# Altium PCB V1I1.PcbDoc (part 1 of 2)
Units mm, origin at the board's own origin, x right, y up, seen from the top; angles counter-clockwise.
Board outline 70 x 150 mm, 4 copper layers (Top Layer, GND, Power, Bottom Layer), stack 1.743 mm thick; 161 components, 106 nets, 602 pads, 656 vias.
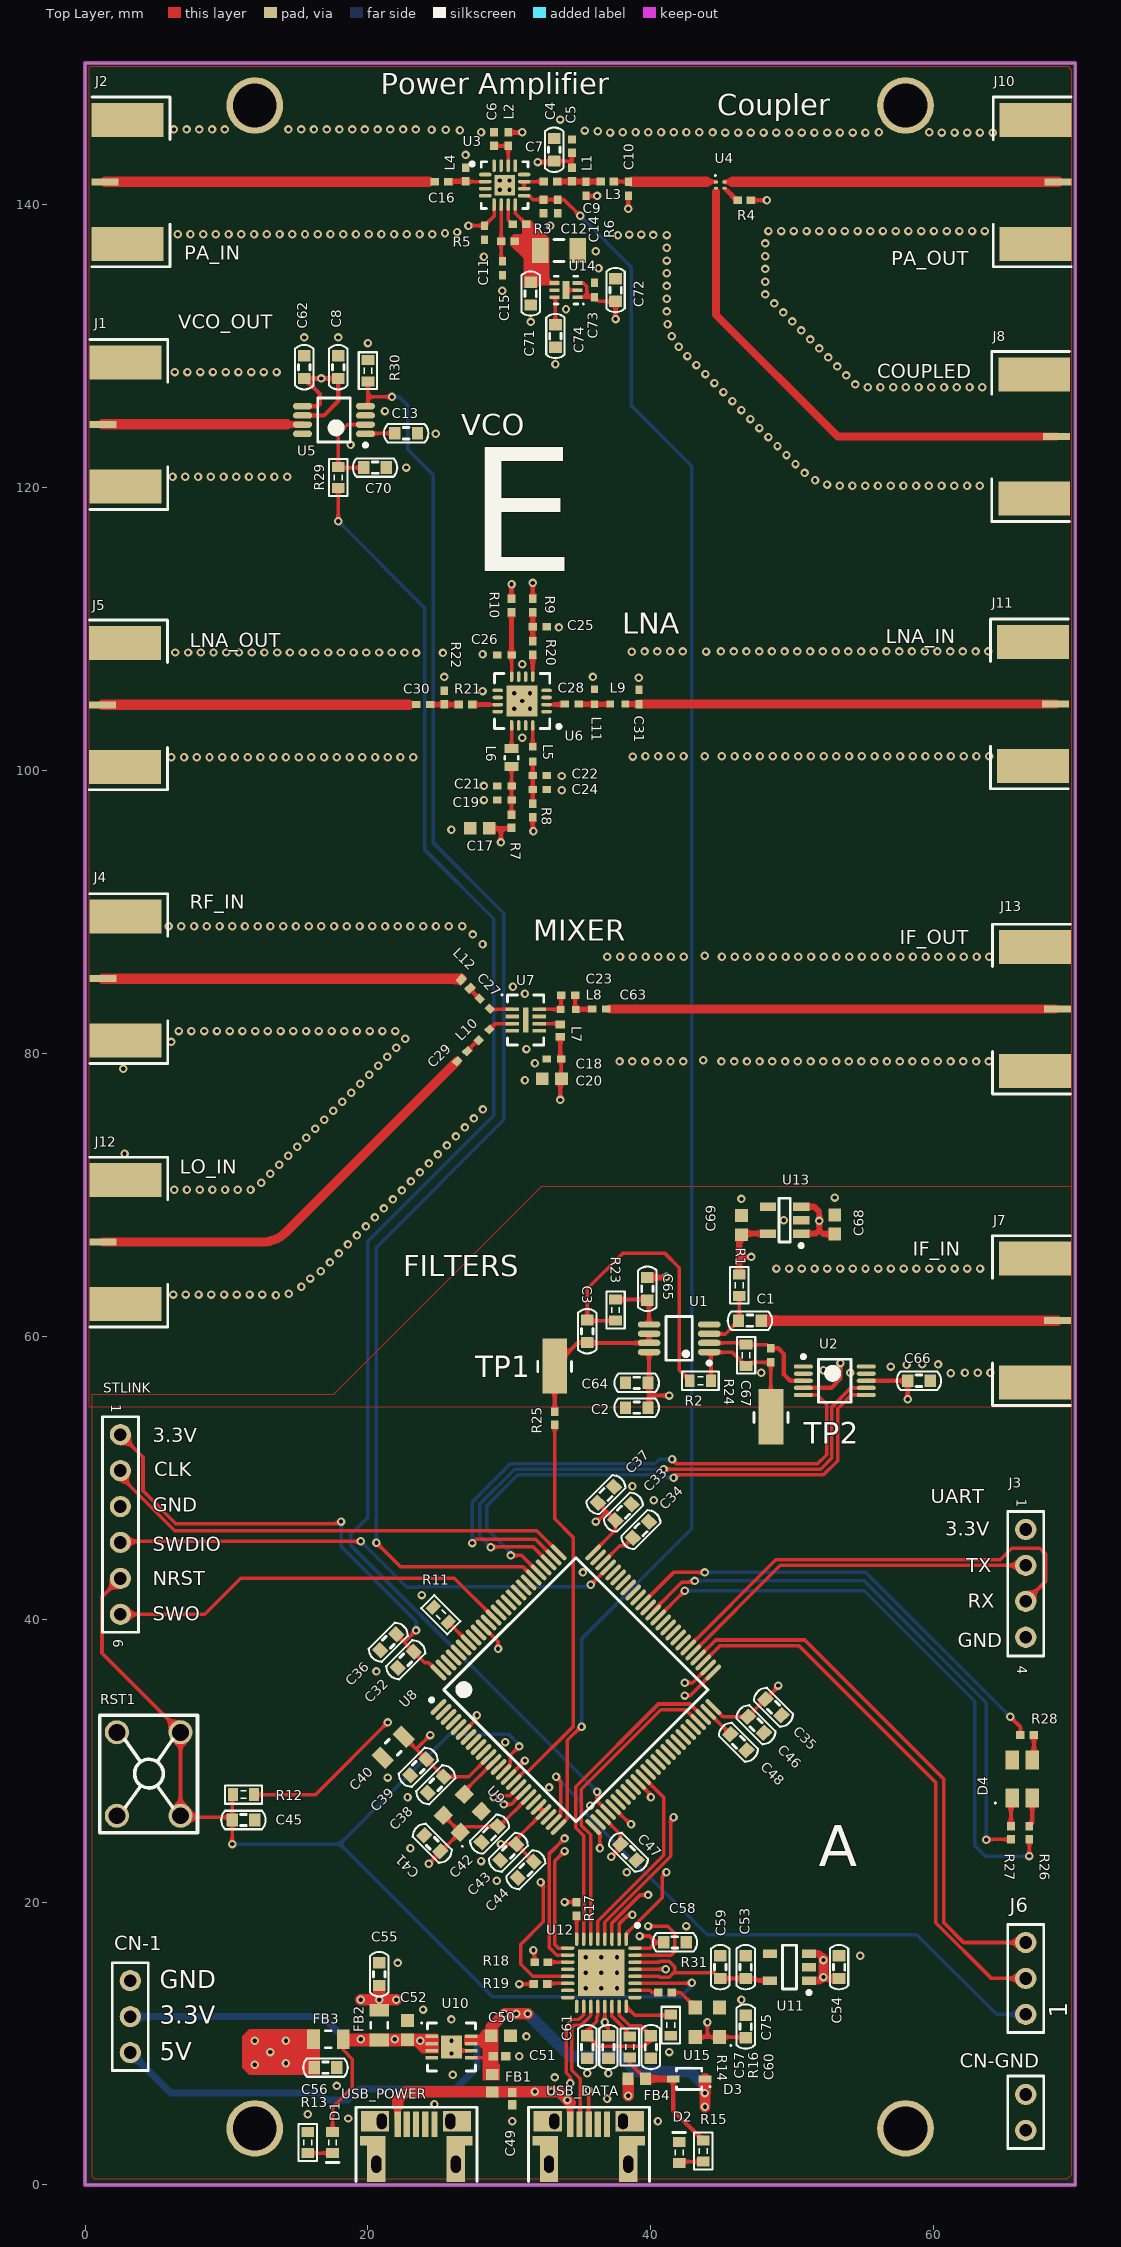
[diagram p0: Top Layer view]
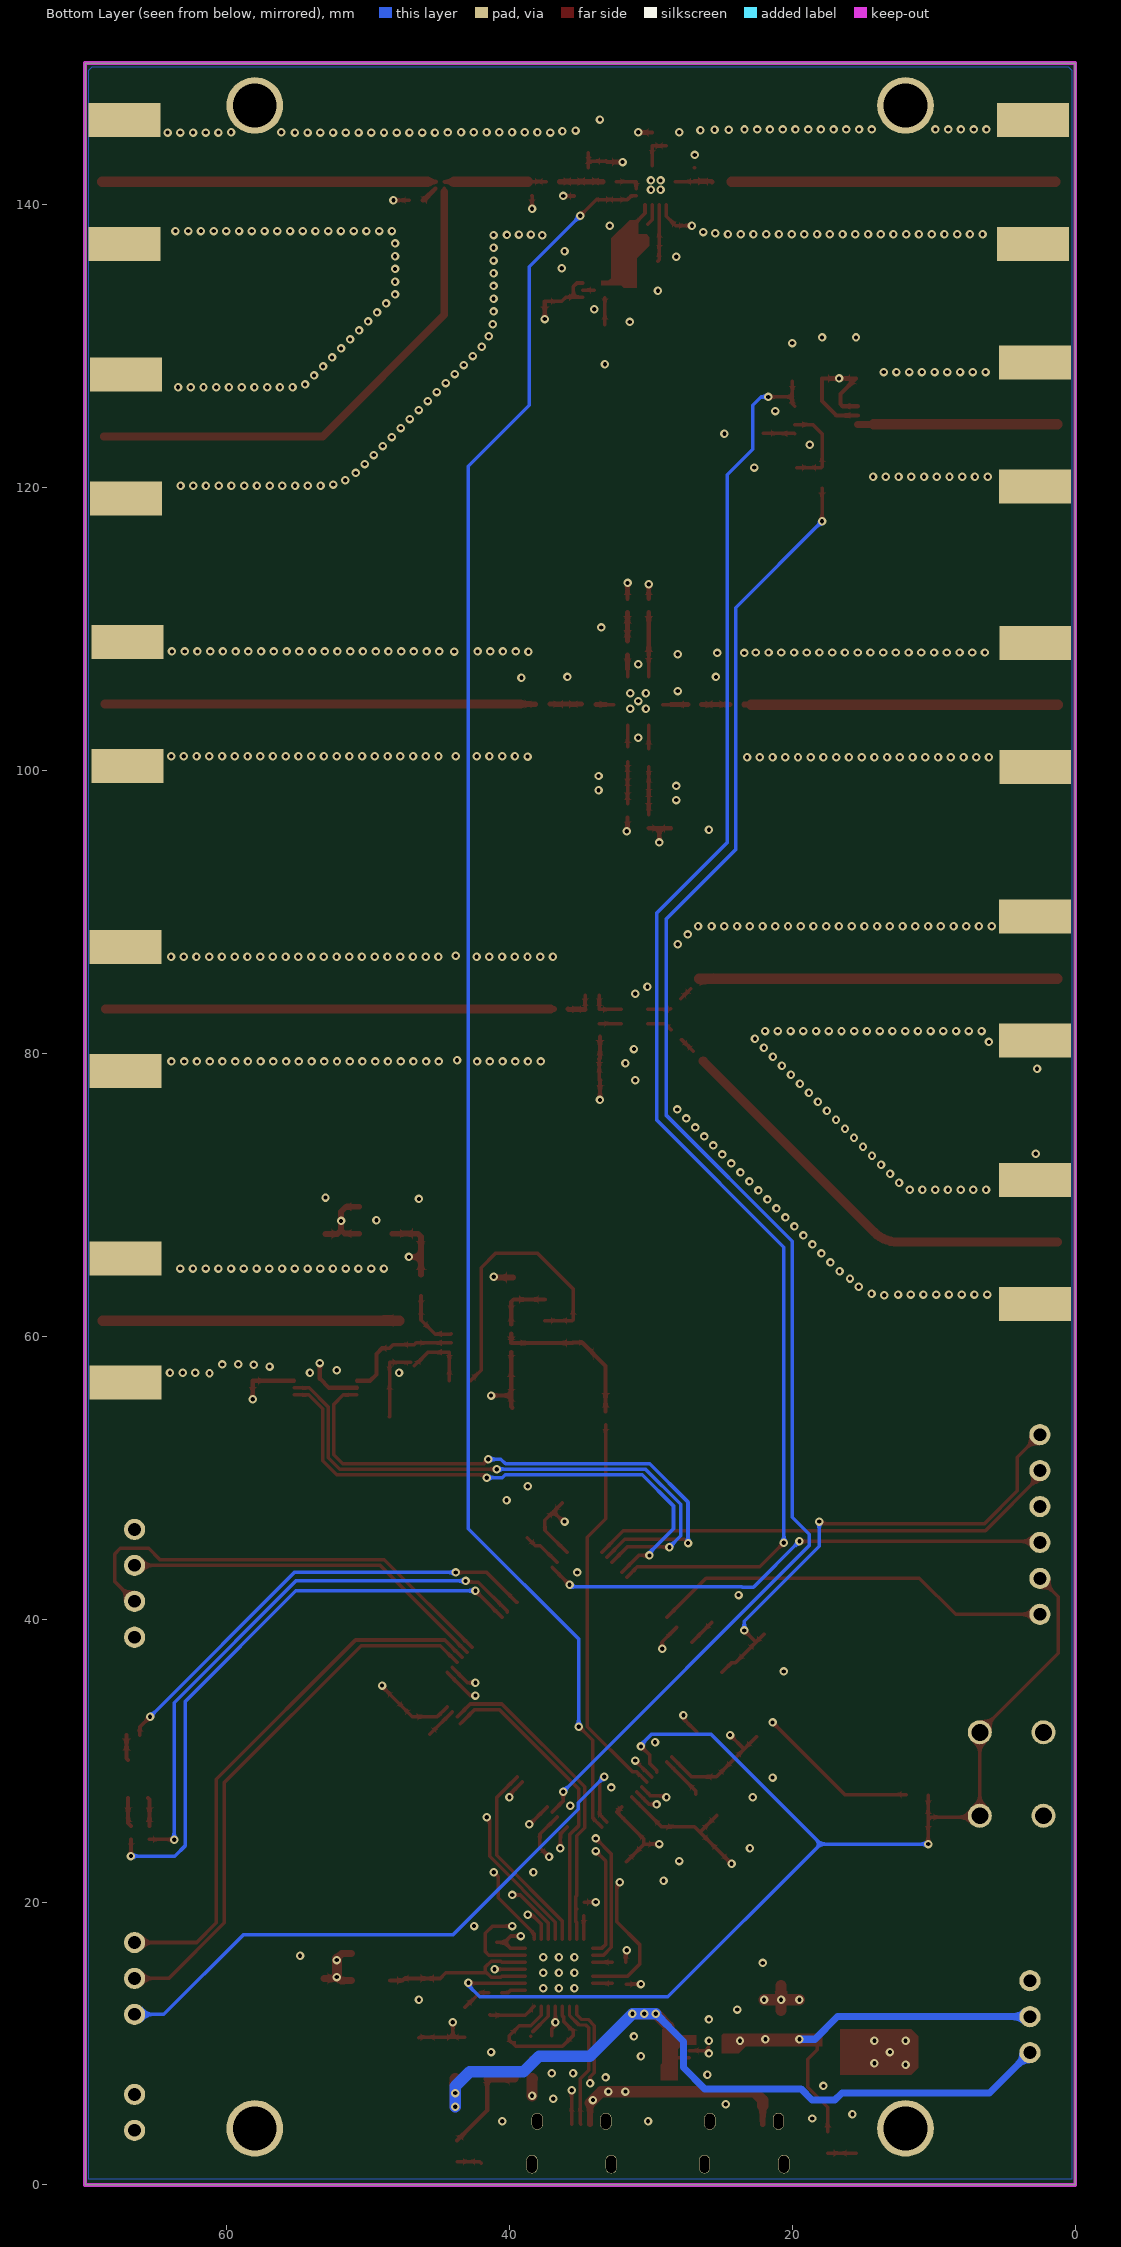
[diagram p1: Bottom Layer view, seen from below]
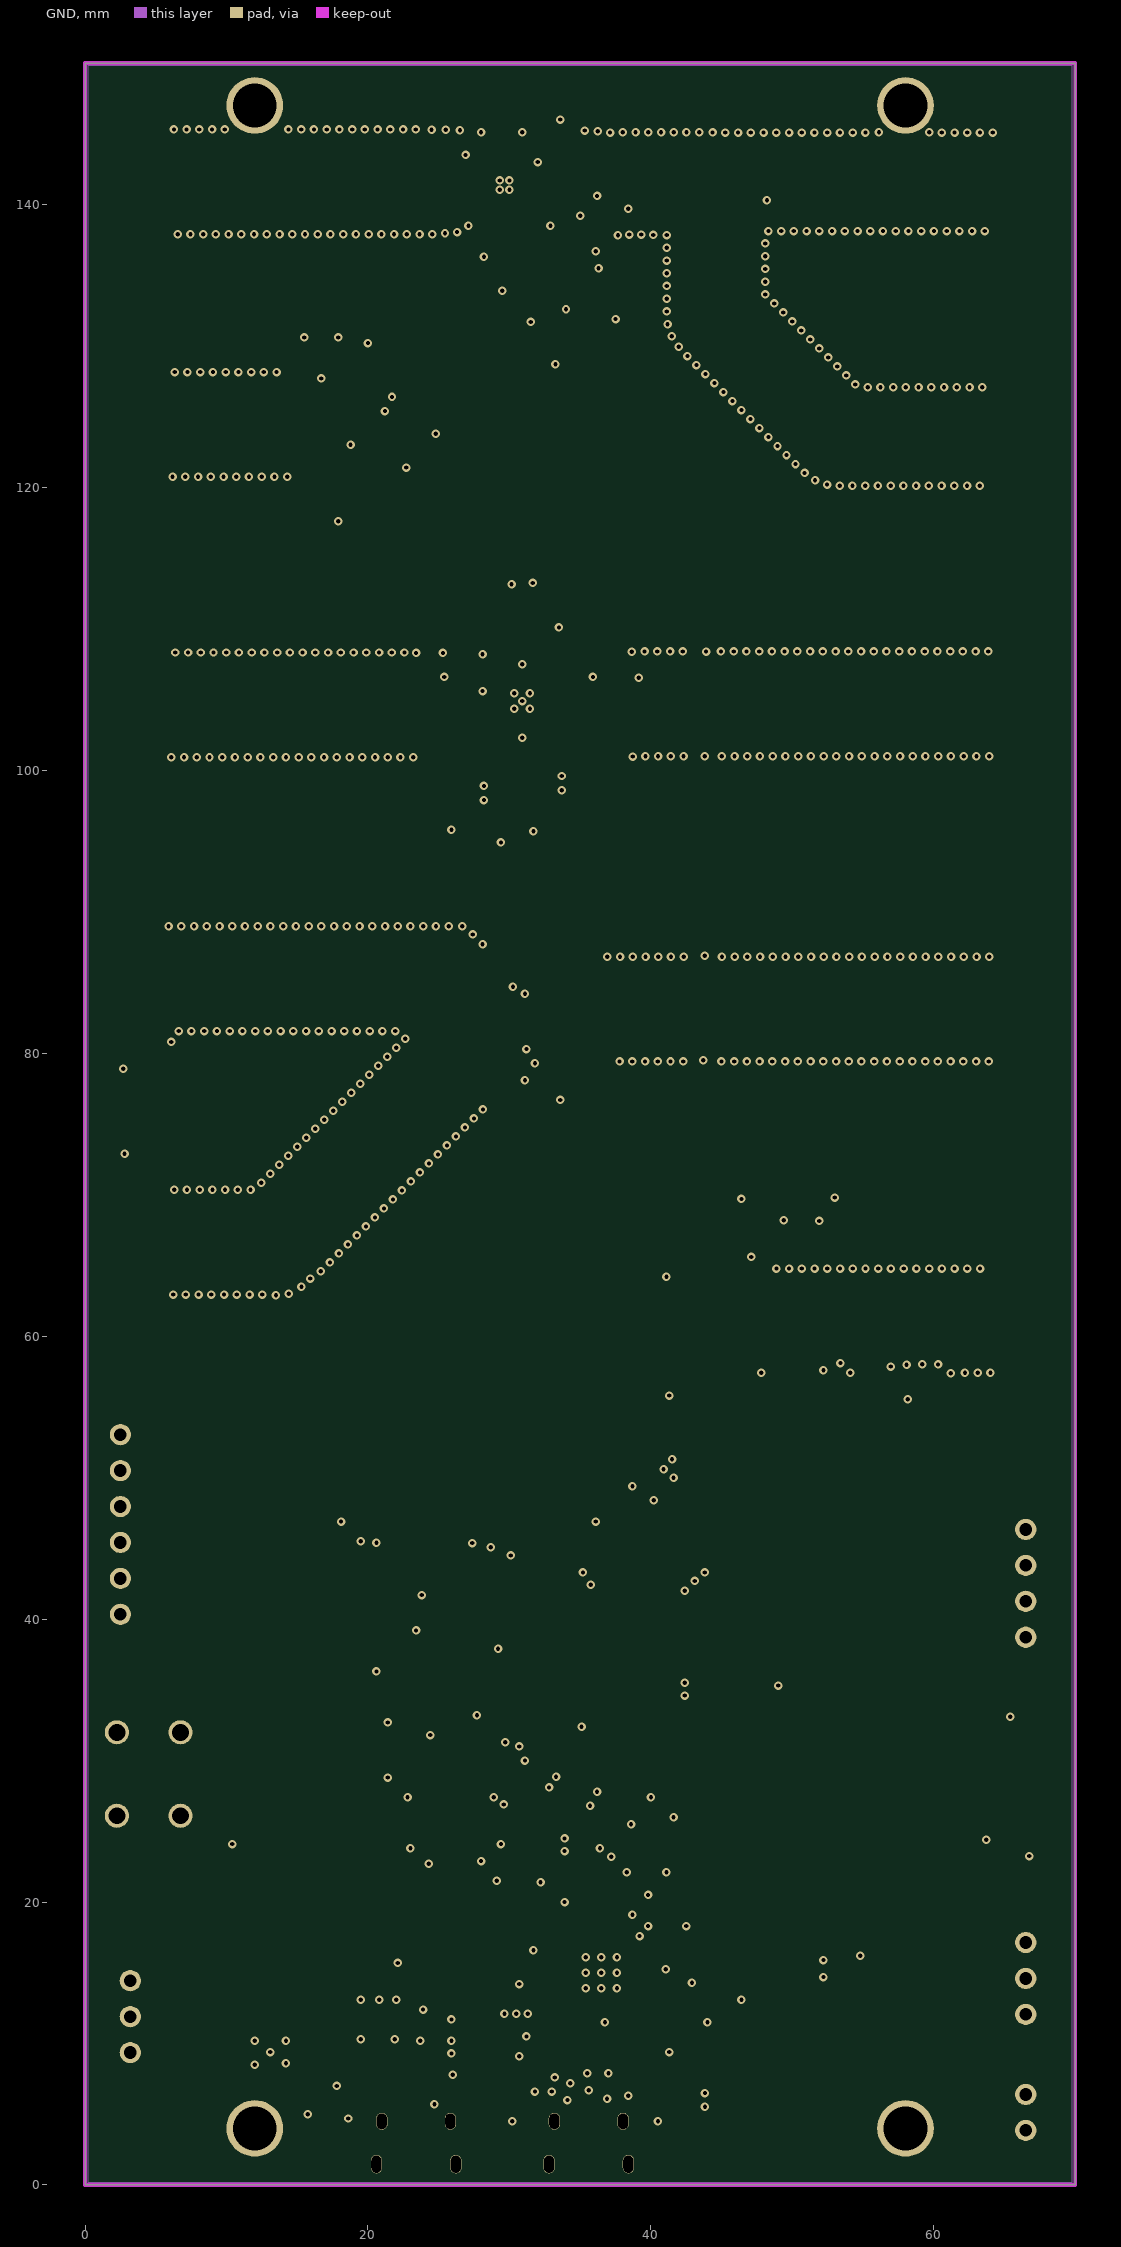
[diagram p2: GND]
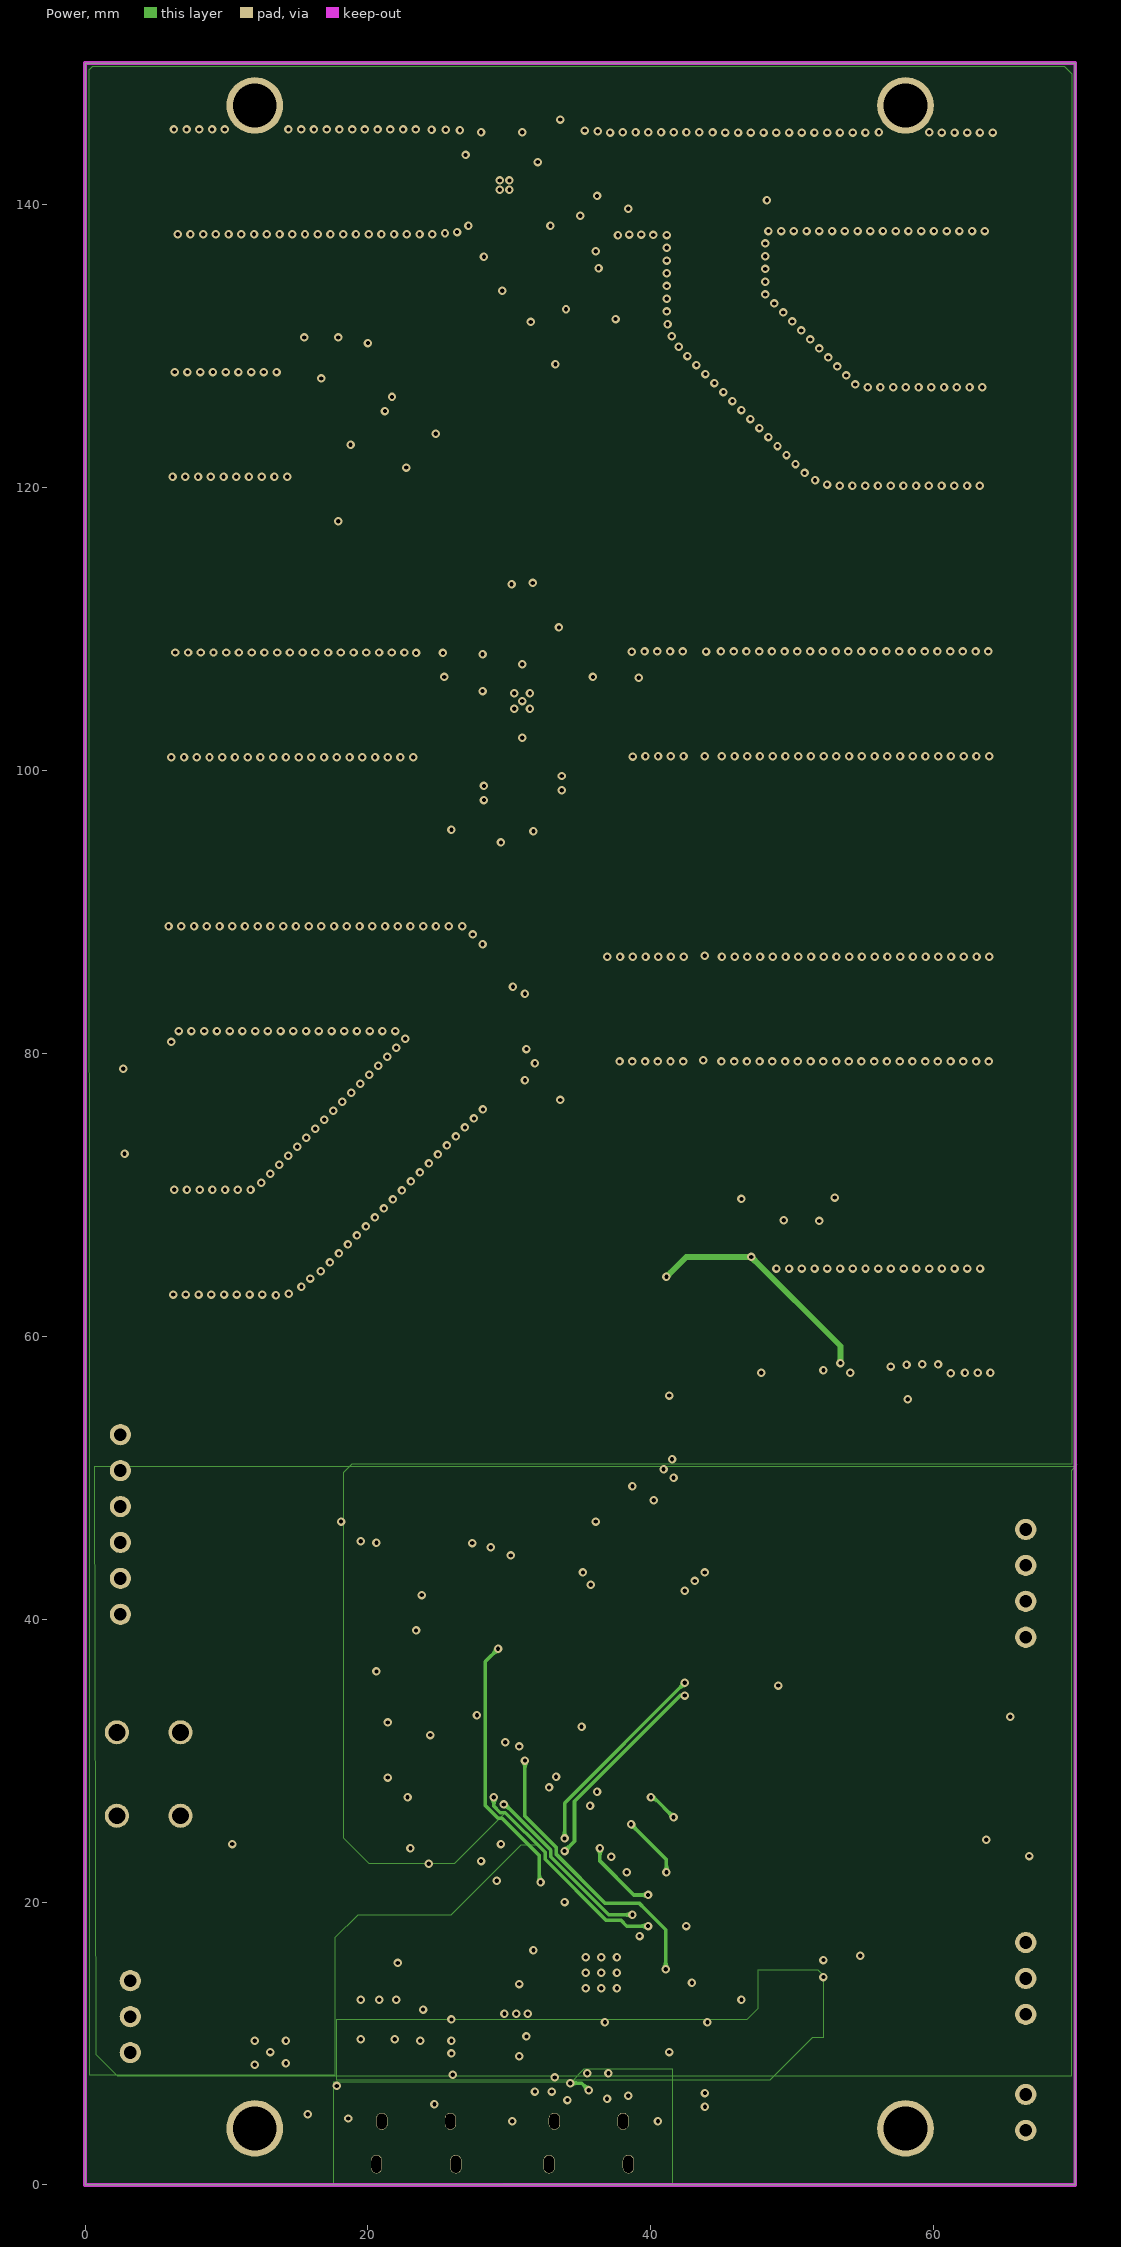
[diagram p3: Power]

## Layer stack, top to bottom
Top Solder: solder mask 0.0102, Solder Resist, Dk 3.5
Top Layer: signal copper 0.0356
Dielectric 1: prepreg 0.2, FR-4, Dk 4.2
GND: signal copper 0.036
Dielectric 3: core 1.2, Dk 4.2
Power: signal copper 0.036
Dielectric 2: prepreg 0.2, Dk 4.2
Bottom Layer: signal copper 0.0356
Bottom Solder: solder mask 0.0102, Solder Resist, Dk 3.5

## Board outline
0,0 0,150 70,150 70,0

## Design rules (kind name [scope] priority, off if disabled: settings)
Clearance Clearance_RF [InPolygon vs InNetClass('RF50')] p1: gap=0.2
Clearance [All] p2: gap=0.125
DiffPairsRouting DiffPairsRouting_90ohm [(InDifferentialPairClass('All Differential Pairs'))] p1: maxlimit=0.15 minlimit=0.15 mostfreqgap=0.15 toplayer_minwidth=0.15 toplayer_maxwidth=0.24 toplayer_prefwidth=0.24 midlayer1_minwidth=0.15 midlayer1_maxwidth=0.24 midlayer1_prefwidth=0.24 midlayer2_minwidth=0.15 midlayer2_maxwidth=0.24 midlayer2_prefwidth=0.24 bottomlayer_minwidth=0.15 bottomlayer_maxwidth=0.24 bottomlayer_prefwidth=0.24 maxuncoupledlength=12.7
DiffPairsRouting [All] p2: maxlimit=0.254 minlimit=0.254 mostfreqgap=0.254 toplayer_minwidth=0.381 toplayer_maxwidth=0.381 toplayer_prefwidth=0.381 midlayer1_minwidth=0.381 midlayer1_maxwidth=0.381 midlayer1_prefwidth=0.381 midlayer2_minwidth=0.381 midlayer2_maxwidth=0.381 midlayer2_prefwidth=0.381 bottomlayer_minwidth=0.381 bottomlayer_maxwidth=0.381 bottomlayer_prefwidth=0.381 maxuncoupledlength=12.7
PlaneClearance PlaneClearance_RF [InNetClass(rf50) AND InPolygon] p1: clearance=1
PlaneClearance [All] p2: clearance=0.2
PlaneConnect [All] p1: planeconnectstyle=Direct reliefexpansion=0.508 reliefentries=4 reliefconductorwidth=0.254 reliefairgap=0.254
PolygonConnect [All] p1: connectstyle=Direct reliefconductorwidth=0.254 reliefentries=4 polygonreliefangle="45 Angle" airgapwidth=0.254
RoutingVias [All] p1: holewidth=0.3 width=0.6 viastyle="Through Hole" minholewidth=0.3 minwidth=0.6 maxholewidth=5 maxwidth=5
SolderMaskExpansion [All] p1: expansion=0.102
Width Width_1 [All] p1: maxlimit=4 minlimit=0.15 preferedwidth=0.2
Width Width_RF [InNetClass(RF50)] p2: maxlimit=0.34 minlimit=0.34 preferedwidth=0.34
27 further rules are at their usual default settings.

## Classes and differential pairs
net class ULPI_D[0..7]: ULPI_D0 ULPI_D1 ULPI_D2 ULPI_D3 ULPI_D4 ULPI_D5 ULPI_D6 ULPI_D7
net class RF50: ANT_IN ANT_OUT COUPLED LF_IN LNA_OUT MIX_IF MIX_LO MIX_RF PA_IN PA_OUT VCO_OUT
component class "USB PHY": C57 C58 C59 C60 C61 C75 CN1 D2 D3 FB4 R14 R15 R16 R17 R18 R19 R31 U12 U15 USB_DATA USB_POWER
component class uController: C32 C33 C34 C35 C36 C37 C38 C39 C40 C41 C42 C43 C44 C45 C46 C47 C48 D4 J3 J6 R11 R12 R26 R27 R28 RST1 STLINK U8 U9
component class Signal_RX: C17 C18 C19 C20 C21 C22 C23 C24 C25 C26 C27 C28 C29 C30 C31 C63 L5 L6 L7 L8 L9 L10 L11 L12 R7 R8 R9 R10 R20 R21 R22 U6 U7
component class "Power and Connectors": C49 C50 C51 C52 C53 C54 C55 C56 C68 C69 CN-1 CN-GND D1 FB1 FB2 FB3 J1 J2 J4 J5 J7 J8 J10 J11 J12 J13 R13 U10 U11 U13
component class LowFreqSignal: C1 C2 C3 C64 C65 C66 C67 R1 R2 R23 R24 R25 TP1 TP2 U1 U2
component class Signal_TX: C4 C5 C6 C7 C8 C9 C10 C11 C12 C13 C14 C15 C16 C62 C70 C71 C72 C73 C74 L1 L2 L3 L4 R3 R4 R5 R6 R29 R30 U3 U4 U5 U14
differential pair USB: +USB_P -USB_N

## Components (designator, comment, footprint, x,y, rotation, side; value= is the part's Value field where it differs from the comment)
C1 "220nF" "0603 Cap" 47,61.1 r180 top
C2 "100pF" "0603 Cap" 39,54.95 r180 top
C3 "220pF" "0603 Cap" 35.5,60.35 r90 top
C4 "4.7uF" "0603 Cap" 33.165,143.868 r90 top
C5 "10000pF 0402" RESC1005X04L 34.415,144.118 r270 top
C6 "10000pF 0402" RESC1005X04L 28.915,144.618 r90 top
C7 "5.6pF" RESC1005X04L 32.915,141.618 r0 top
C8 "220pF" "0603 Cap" 17.9,128.5 r270 top
C9 "1pF 0402" CAPC1005X05L 35.415,141.118 r90 top
C10 "1pF 0402" CAPC1005X05L 38.415,141.118 r90 top
C11 "1.8pF 0402" CAPC1005X05L 28.25,138 r90 top
C12 "10uF" CAPC3216X09L 33.5,136.75 r0 top
C13 "100nF" "0603 Cap" 22.7,123.825 r180 top
C14 "4.7pF 0402" RESC1005X04L 32.415,139.868 r90 top
C15 "1.8pF 0402" CAPC1005X05L 29.5,135.5 r90 top
C16 "5.6pF" RESC1005X04L 25.2,141.6 r0 top
C17 "4.7 uF" CAPC1608X10L 27.9,95.9 r0 top
C18 "100 pF" CAPC1005X05L 33.15,79.6 r0 top
C19 "100 pF" CAPC1005X05L 29.65,97.9 r180 top
C20 "4.7 uF" CAPC1608X10L 33,78.2 r180 top
C21 "0.1 uF" CAPC1005X05L 29.65,98.9 r0 top
C22 "100 pF" CAPC1005X05L 32.15,99.65 r0 top
C23 "100 pF" CAPC1005X05L 34.15,84.1 r0 top
C24 "0.1 uF" CAPC1005X05L 32.15,98.65 r180 top
C25 "10 pF" CAPC1005X05L 32.15,110.15 r0 top
C26 "10 pF" CAPC1005X05L 29.65,108.15 r180 top
C27 "1pF 0402" CAPC1005X05L 28.254,83.496 r315 top
C28 "10pF" CAPC1005X05L 34.4,104.68 r180 top
C29 "100 pF" CAPC1005X05L 26.65,79.795 r45 top
C30 "0.1 uF" CAPC1005X05L 23.9,104.65 r0 top
C31 "0.5pF" CAPC1005X05L 39.15,105.18 r270 top
C32 "100nF" "0603 Cap" 22.676,37.131 r45 top
C33 "100nF" "0603 Cap" 38.055,47.561 r45 top
C34 "2.2 uF 10V" "0603 Cap" 39.293,46.323 r225 top
C35 "100nF" "0603 Cap" 48.662,33.772 r135 top
C36 "100nF" "0603 Cap" 21.438,38.368 r45 top
C37 "100nF" "0603 Cap" 36.818,48.798 r225 top
C38 "100nF" "0603 Cap" 24.797,28.292 r225 top
C39 "100nF" "0603 Cap" 23.56,29.53 r225 top
C40 "4.7uF 16V" "0805 CAP" 21.792,30.944 r225 top
C41 "100nF" "0603 Cap" 24.55,24.156 r315 top
C42 "100nF" "0603 Cap" 28.6,24.8 r225 top
C43 "1uF" "0603 Cap" 29.924,23.519 r45 top
C44 "100nF" "0603 Cap" 31.161,22.282 r225 top
C45 "100nF" "0603 Cap" 11.2,25.8 r180 top
C46 "100nF" "0603 Cap" 47.424,32.535 r135 top
C47 "100nF" "0603 Cap" 38.409,23.519 r315 top
C48 "2.2 uF 10V" "0603 Cap" 46.187,31.297 r135 top
C49 "10 nF" Chip2PinSM127P600-8N_CAP0402 30.2,6.1 r90 top
C50 "4.7 uF" CAPC1608X10L 29.4,10.55 r180 top
C51 "10 nF" Chip2PinSM127P600-8N_CAP0402 29.3,9.1 r180 top
C52 "4.7 uF" CAPC1608X10L 22.8,10.95 r270 top
C53 "1uF" "0603 Cap" 46.7,15.4 r270 top
C54 "1uF" "0603 Cap" 53.3,15.4 r270 top
C55 "1uF" "0603 Cap" 20.8,14.9 r270 top
C56 "1uF" "0603 Cap" 17,8.3 r180 top
C57 "100nF" "0603 Cap" 37,9.75 r90 top
C58 "100nF" "0603 Cap" 41.7,17.15 r180 top
C59 "100nF" "0603 Cap" 44.9,15.4 r270 top
C60 "100nF" "0603 Cap" 40,9.75 r90 top
C61 "2.2 uF 10V" "0603 Cap" 35.5,9.75 r90 top